# Altium PCB WOLFMAN_16ch.PcbDoc (part 1 of 2) (continued)
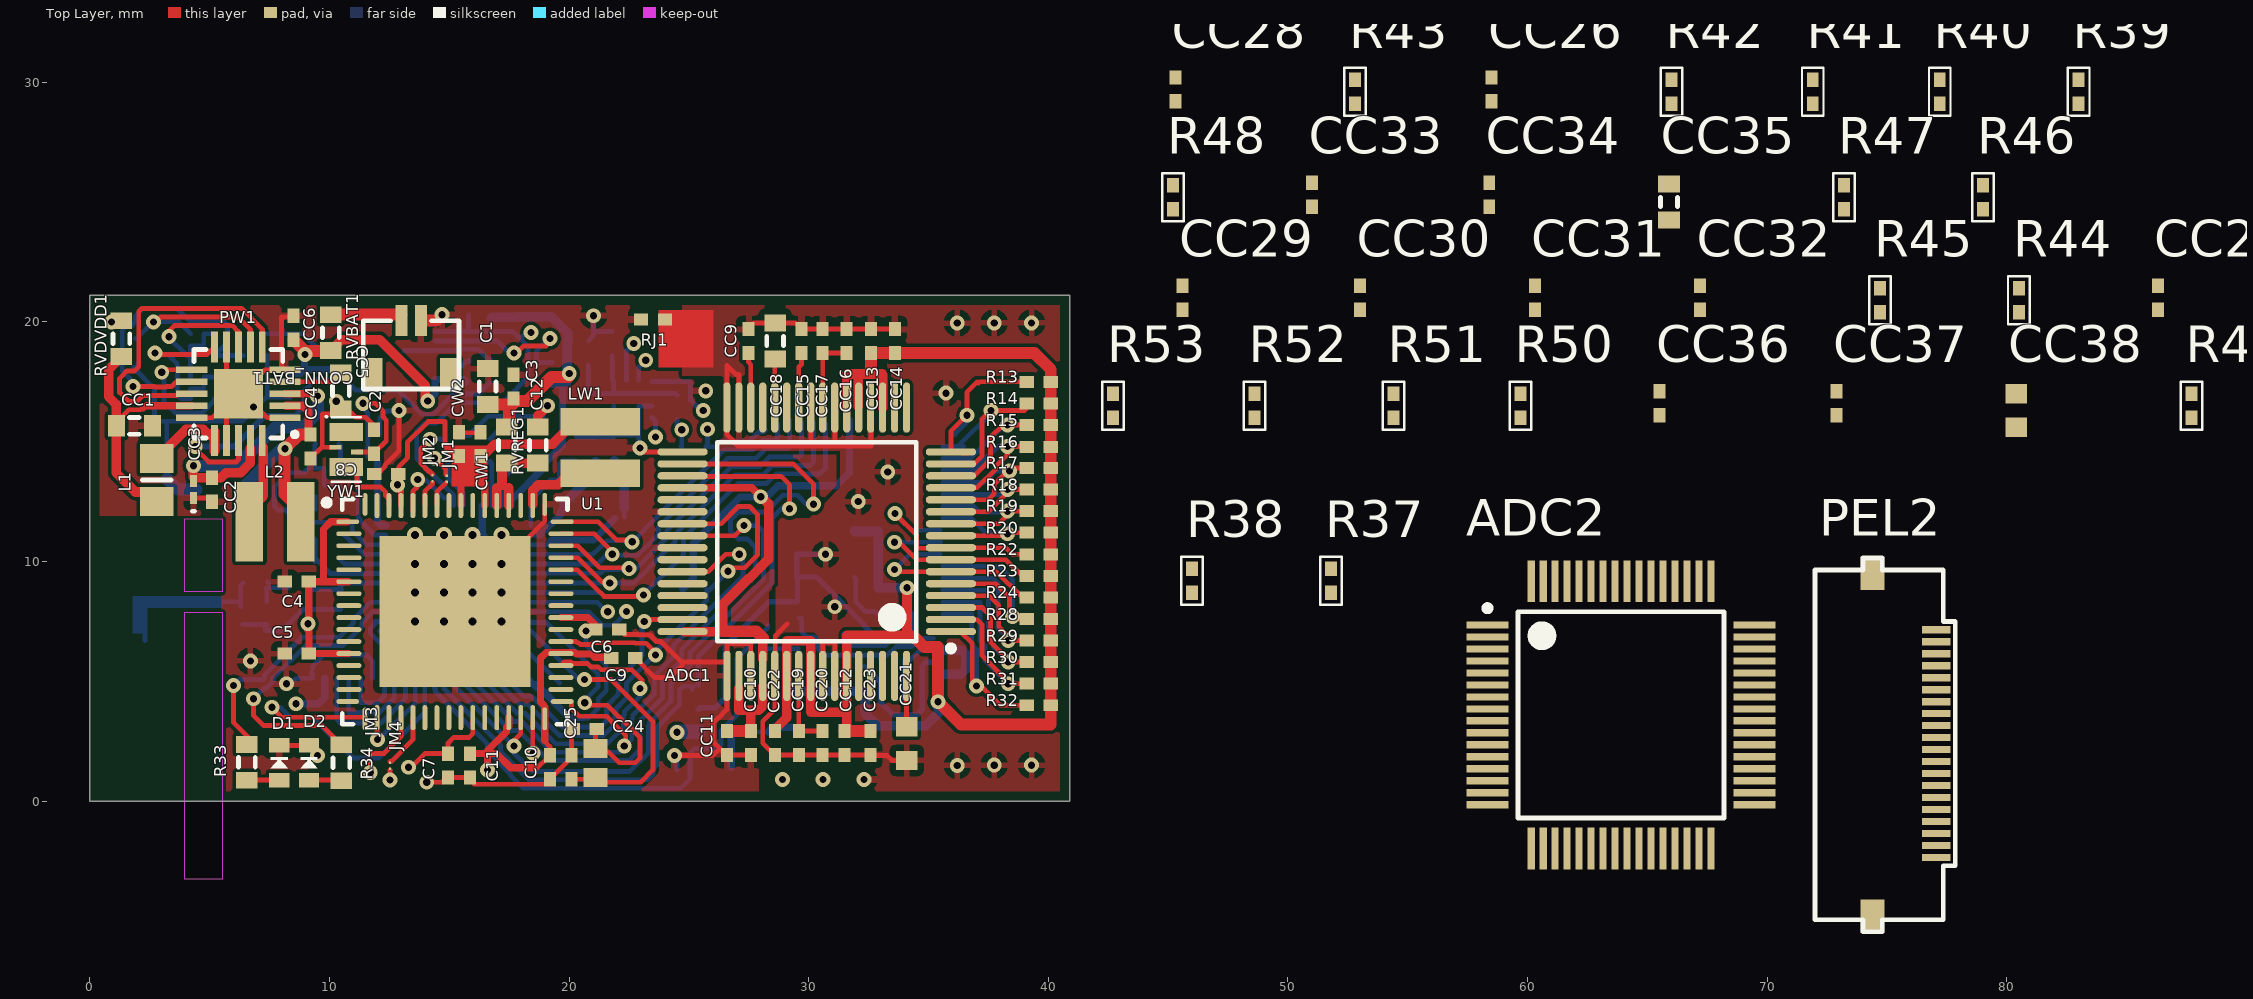
[diagram p0: Top Layer view]
## Footprints (in the part's own frame and the unit in brackets; to place one, negate y for a bottom-side part, rotate by r counter-clockwise, add the part's x,y. Pads: shape width x height; smd on the part's side, far side on the other; paste and mask are expansions set on the pad)
6-0805_N [mm] "Chip Resistor, Body 2.0x1.2mm, IPC Medium Density"
  rect 1.2x1.4 smd: 1(-0.9,0) 2(0.9,0)
  silkscreen extent 0,-0.6 0,0.6, body extent -1.07,-0.7 1.07,0.7, height 0.7
0402 [mm] "Chip Capacitor, Body 1.0x0.5mm, IPC High Density"
  rect 0.6x0.5 smd: 1(-0.5,0) 2(0.5,0)
  body extent -0.55,-0.3 0.55,0.3, height 1.3
0603 [mm] "Chip Inductor, Body 0.6x0.3mm, IPC High Density"
  rect 0.5x0.3 smd: 1(-0.35,0) 2(0.35,0)
  silkscreen extent -0.9,-0.05 -0.9,0.05, body extent -0.33,-0.18 0.33,0.18, height 0.55
1212_PCK [mm]
  rect 1.15x3.3 smd: 1(-0.55,8.6) 2(1.6,8.6)
1608[0603] [mm] "Chip Capacitor, Body 1.6x0.8mm, IPC High Density"
  rect 0.8x0.9 smd: 1(-0.7,0) 2(0.7,0)
  body extent -0.87,-0.48 0.87,0.48, height 1.3
*LGA12R50P4X4_200X200X86 [mm]
  rect 0.35x0.3 smd: 1(-0.8,0.75) 2(-0.8,0.25) 3(-0.8,-0.25) 4(-0.8,-0.75) 7(0.8,-0.75) 8(0.8,-0.25) 9(0.8,0.25) 10(0.8,0.75)
  rect 0.3x0.35 smd: 5(-0.25,-0.8) 6(0.25,-0.8) 11(0.25,0.8) 12(-0.25,0.8)
  silkscreen extent -1.25,-1.15 1.15,1.25
BT-XTAL_2016 [mm]
  rect 0.95x0.85 smd: 1(-0.725,-0.575) 2(0.725,-0.575) 3(0.725,0.575) 4(-0.725,0.575)
  silkscreen extent -1.08,-0.88 1.08,0.88, body extent -1.05,-0.85 1.05,0.85, height 0.56
CAPC1005X04L [mm]
  rect 0.6x0.5 smd: 1(-0.5,0) 2(0.5,0)
  silkscreen extent -0.9,-0.35 0.9,0.35, body extent -0.51,-0.25 0.51,0.25, height 0.5
CAPC1608X06L [mm]
  rect 0.75x0.8 smd: 1(-0.675,0) 2(0.675,0)
  silkscreen extent -1.17,-0.5 1.17,0.5, body extent -0.8,-0.43 0.8,0.43, height 0.8
DF52-2S-0.8H(21) [mm]
  rect 0.8x1.4 smd: 0(-1.6,-0.5) 0(1.6,-0.5)
  rect 0.5x1.3 smd: 1(-0.4,1.75) 2(0.4,1.75)
  silkscreen extent -2,-1.1 2,1.75, body extent -1.9,-1.05 1.9,1.72, height 1.66
DFN510P700X220-2N [mm]
  rect 1.5x2.6 smd: 1(2.575,0) 2(-2.525,0)
  Top Layer region: 4.327,3.5 4.827,3.5 4.827,-0.225 4.327,-0.225
  Top Layer region: 3.277,0.25 4.827,0.25 4.827,-0.25 3.277,-0.25
  Keep-Out Layer region: 5.027,3.5 8.027,3.5 8.027,1.9 5.027,1.9
  Keep-Out Layer region: -6.973,3.5 4.127,3.5 4.127,1.9 -6.973,1.9
  silkscreen extent -3.57,-1.6 3.62,2.1, body extent -3.58,-1.6 3.62,1.6, height 2.2
DIOC1608X08L [mm] "Chip Diode, 2-Leads, Body 1.60x0.80mm, IPC High Density"
  rect 0.6x0.85 smd: 1(-0.725,0) 2(0.725,0)
  silkscreen extent -0.23,-0.35 0.23,0.35, body extent -0.8,-0.4 0.81,0.4, height 0.72
DRZ12_SMALL [mm]
  rect 2.3x2.3 smd: 0(2.6,-1)
  rect 1.1x0.2 smd: 1(0.5,0)
  oval 1.1x0.2 smd: 2(0.5,-0.4) 3(0.5,-0.8) 4(0.5,-1.2) 5(0.5,-1.6) 6(0.5,-2) 7(4.75,-2) 8(4.75,-1.6) 9(4.75,-1.2) 10(4.75,-0.8) 11(4.75,-0.4) 12(4.75,0)
INDC1005X04L [mm]
  rect 0.65x0.5 smd: 1(-0.475,0) 2(0.475,0)
  silkscreen extent -0.9,-0.35 0.9,0.35, body extent -0.5,-0.3 0.5,0.3, height 0.5
J1-0603 [mm] "Chip Resistor, Body 1.6x0.8mm, IPC High Density"
  rect 0.7x0.9 smd: 1(-0.75,0) 2(0.75,0)
  silkscreen extent -0.2,-0.35 0.2,0.35, body extent -0.85,-0.48 0.85,0.48, height 0.9
LQFP64_M [mm] "Thin QFP, 64-Leads, Body 10x10mm, Pitch 0.5mm, IPC Low Density"
  oval 2.1x0.3 smd: 1(-5.6,3.75) 2(-5.6,3.25) 3(-5.6,2.75) 4(-5.6,2.25) 5(-5.6,1.75) 6(-5.6,1.25) 7(-5.6,0.75) 8(-5.6,0.25) 9(-5.6,-0.25) 10(-5.6,-0.75) 11(-5.6,-1.25) 12(-5.6,-1.75) 13(-5.6,-2.25) 14(-5.6,-2.75) 15(-5.6,-3.25) 16(-5.6,-3.75) 33(5.6,-3.75) 34(5.6,-3.25) 35(5.6,-2.75) 36(5.6,-2.25) 37(5.6,-1.75) 38(5.6,-1.25) 39(5.6,-0.75) 40(5.6,-0.25) 41(5.6,0.25) 42(5.6,0.75) 43(5.6,1.25) 44(5.6,1.75) 45(5.6,2.25) 46(5.6,2.75) 47(5.6,3.25) 48(5.6,3.75)
  oval 0.3x2.1 smd: 17(-3.75,-5.6) 18(-3.25,-5.6) 19(-2.75,-5.6) 20(-2.25,-5.6) 21(-1.75,-5.6) 22(-1.25,-5.6) 23(-0.75,-5.6) 24(-0.25,-5.6) 25(0.25,-5.6) 26(0.75,-5.6) 27(1.25,-5.6) 28(1.75,-5.6) 29(2.25,-5.6) 30(2.75,-5.6) 31(3.25,-5.6) 32(3.75,-5.6) 49(3.75,5.6) 50(3.25,5.6) 51(2.75,5.6) 52(2.25,5.6) 53(1.75,5.6) 54(1.25,5.6) 55(0.75,5.6) 56(0.25,5.6) 57(-0.25,5.6) 58(-0.75,5.6) 59(-1.25,5.6) 60(-1.75,5.6) 61(-2.25,5.6) 62(-2.75,5.6) 63(-3.25,5.6) 64(-3.75,5.6)
  silkscreen extent -5.72,-4.15 4.15,4.57, body extent -5,-5 5,5, height 1.6
MOLEX_5051100692 [mm] "FFC & FPC Connectors 0.5 FPC ZIF BTM CONT EMBT PKG 6Ckt"
  rect 1.4x1 smd: 0(-5.65,-0.05) 0(1.7,-0.1)
  rect 0.3x1 smd: 1(-3.25,-2.8) 2(-2.75,-2.8) 3(-2.25,-2.8) 4(-1.75,-2.8) 5(-1.25,-2.8) 6(-0.75,-2.8)
  silkscreen extent -6.6,-3.5 2.65,1.7, body extent -6.25,-3 2.25,2.3, height 1.88
MOLEX_5051100892 [mm] "CONN FCC 8 poles, 0.5mm"
  rect 1.4x1 smd: 0(-4.2,1.2) 0(4.15,1.2)
  rect 0.3x1.2 smd: 1(-1.75,-1.45) 2(-1.25,-1.45) 3(-0.75,-1.45) 4(-0.25,-1.45) 5(0.25,-1.45) 6(0.75,-1.45) 7(1.25,-1.45) 8(1.75,-1.45)
  silkscreen extent -4.85,-2.25 4.75,3.6, body extent -4.75,-1.65 4.75,3.65, height 1.88
MOLEX_5051102091 [mm] "CONN FCC 20 poles, 0.5mm"
  rect 1.4x1 smd: 0(-7.2,2.6) 0(7.1,2.6)
  rect 0.3x1.2 smd: 1(-4.75,-0.05) 2(-4.25,-0.05) 3(-3.75,-0.05) 4(-3.25,-0.05) 5(-2.75,-0.05) 6(-2.25,-0.05) 7(-1.75,-0.05) 8(-1.25,-0.05) 9(-0.75,-0.05) 10(-0.25,-0.05) 11(0.25,-0.05) 12(0.75,-0.05) 13(1.25,-0.05) 14(1.75,-0.05) 15(2.25,-0.05) 16(2.75,-0.05) 17(3.25,-0.05) 18(3.75,-0.05) 19(4.25,-0.05) 20(4.75,-0.05)
  silkscreen extent -7.85,-0.85 7.75,5, body extent -7.75,-0.3 7.75,5, height 1.88
QFN40P600X600X90-48N [mm]
  oval 0.65x0.2 smd: 1(-3.025,2.2) 2(-3.025,1.8) 3(-3.025,1.4) 4(-3.025,1) 5(-3.025,0.6) 6(-3.025,0.2) 7(-3.025,-0.2) 8(-3.025,-0.6) 9(-3.025,-1) 10(-3.025,-1.4) 11(-3.025,-1.8) 12(-3.025,-2.2) 25(3.025,-2.2) 26(3.025,-1.8) 27(3.025,-1.4) 28(3.025,-1) 29(3.025,-0.6) 30(3.025,-0.2) 31(3.025,0.2) 32(3.025,0.6) 33(3.025,1) 34(3.025,1.4) 35(3.025,1.8) 36(3.025,2.2)
  oval 0.2x0.65 smd: 13(-2.2,-3.025) 14(-1.8,-3.025) 15(-1.4,-3.025) 16(-1,-3.025) 17(-0.6,-3.025) 18(-0.2,-3.025) 19(0.2,-3.025) 20(0.6,-3.025) 21(1,-3.025) 22(1.4,-3.025) 23(1.8,-3.025) 24(2.2,-3.025) 37(2.2,3.025) 38(1.8,3.025) 39(1.4,3.025) 40(1,3.025) 41(0.6,3.025) 42(0.2,3.025) 43(-0.2,3.025) 44(-0.6,3.025) 45(-1,3.025) 46(-1.4,3.025) 47(-1.8,3.025) 48(-2.2,3.025)
  rect 4.7x4.7 smd: 49(0,0)
  silkscreen extent -4.03,-3 3,3, body extent -3.02,-3.02 3.02,3.02, height 0.86
QFN50P900X900X100_HS_NOVIAS_65M [mm] "QFN, 64-Leads, Body 9.00x9.00mm, Pitch 0.50mm, Thermal Pad 6.30x6.30mm, IPC Low Density"
  oval 0.95x0.2 smd: 1(-4.475,3.75) 16(-4.475,-3.75) 33(4.475,-3.75) 48(4.475,3.75)
  oval 1.05x0.2 smd: 2(-4.425,3.25) 3(-4.425,2.75) 4(-4.425,2.25) 5(-4.425,1.75) 6(-4.425,1.25) 7(-4.425,0.75) 8(-4.425,0.25) 9(-4.425,-0.25) 10(-4.425,-0.75) 11(-4.425,-1.25) 12(-4.425,-1.75) 13(-4.425,-2.25) 14(-4.425,-2.75) 15(-4.425,-3.25) 34(4.425,-3.25) 35(4.425,-2.75) 36(4.425,-2.25) 37(4.425,-1.75) 38(4.425,-1.25) 39(4.425,-0.75) 40(4.425,-0.25) 41(4.425,0.25) 42(4.425,0.75) 43(4.425,1.25) 44(4.425,1.75) 45(4.425,2.25) 46(4.425,2.75) 47(4.425,3.25)
  oval 0.2x0.95 smd: 17(-3.75,-4.475) 32(3.75,-4.475) 49(3.75,4.475) 64(-3.75,4.475)
  oval 0.2x1.05 smd: 18(-3.25,-4.425) 19(-2.75,-4.425) 20(-2.25,-4.425) 21(-1.75,-4.425) 22(-1.25,-4.425) 23(-0.75,-4.425) 24(-0.25,-4.425) 25(0.25,-4.425) 26(0.75,-4.425) 27(1.25,-4.425) 28(1.75,-4.425) 29(2.25,-4.425) 30(2.75,-4.425) 31(3.25,-4.425) 50(3.25,4.425) 51(2.75,4.425) 52(2.25,4.425) 53(1.75,4.425) 54(1.25,4.425) 55(0.75,4.425) 56(0.25,4.425) 57(-0.25,4.425) 58(-0.75,4.425) 59(-1.25,4.425) 60(-1.75,4.425) 61(-2.25,4.425) 62(-2.75,4.425) 63(-3.25,4.425)
  rect 6.3x6.3 smd: 65(0,0)
  silkscreen extent -5.47,-4.7 4.7,4.7, body extent -4.6,-4.6 4.6,4.6, height 1
"S-PQFP - G64 - ADS1298" [mm] "TSQFP, 64-Leads, Body 10,00x10,00mm, Pitch 0,50mm, IPC Medium Density"
  rect 1.75x0.3 smd: 1(-5.575,3.75) 2(-5.575,3.25) 3(-5.575,2.75) 4(-5.575,2.25) 5(-5.575,1.75) 6(-5.575,1.25) 7(-5.575,0.75) 8(-5.575,0.25) 9(-5.575,-0.25) 10(-5.575,-0.75) 11(-5.575,-1.25) 12(-5.575,-1.75) 13(-5.575,-2.25) 14(-5.575,-2.75) 15(-5.575,-3.25) 16(-5.575,-3.75) 33(5.575,-3.75) 34(5.575,-3.25) 35(5.575,-2.75) 36(5.575,-2.25) 37(5.575,-1.75) 38(5.575,-1.25) 39(5.575,-0.75) 40(5.575,-0.25) 41(5.575,0.25) 42(5.575,0.75) 43(5.575,1.25) 44(5.575,1.75) 45(5.575,2.25) 46(5.575,2.75) 47(5.575,3.25) 48(5.575,3.75)
  rect 0.3x1.75 smd: 17(-3.75,-5.575) 18(-3.25,-5.575) 19(-2.75,-5.575) 20(-2.25,-5.575) 21(-1.75,-5.575) 22(-1.25,-5.575) 23(-0.75,-5.575) 24(-0.25,-5.575) 25(0.25,-5.575) 26(0.75,-5.575) 27(1.25,-5.575) 28(1.75,-5.575) 29(2.25,-5.575) 30(2.75,-5.575) 31(3.25,-5.575) 32(3.75,-5.575) 49(3.75,5.575) 50(3.25,5.575) 51(2.75,5.575) 52(2.25,5.575) 53(1.75,5.575) 54(1.25,5.575) 55(0.75,5.575) 56(0.25,5.575) 57(-0.25,5.575) 58(-0.75,5.575) 59(-1.25,5.575) 60(-1.75,5.575) 61(-2.25,5.575) 62(-2.75,5.575) 63(-3.25,5.575) 64(-3.75,5.575)
  silkscreen extent -5.7,-4.3 4.3,4.57, body extent -5,-5 5,5, height 1.2
SiT1533-C [mm] "Ultra-Low Power Quartz XTAL Replacement - XTAL Compatible Footprint"
  rect 0.75x1.4 smd: 1(-0.725,0) 3(0.725,0)
  rect 0.2x0.5 smd: 2(-0.1,-0.45) 4(0.1,0.45)
  silkscreen extent -1.4,-0.85 1.35,0.6, body extent -1,-0.6 1,0.6, height 0.55
SOT323_N [mm] "SOT323, 3-Leads, Body 2.0x1.3mm, Pitch 0.65mm, Lead Span 2.1mm, IPC Medium Density"
  rect 1.2x0.5 smd: 1(-0.95,0.65) 2(-0.95,-0.65) 3(0.95,0)
  silkscreen extent -1.07,-1.1 0.7,1.57, body extent -0.7,-1.1 0.7,1.1, height 1.1
SOT-23_A_N [mm] "SOT23, 6-Leads, Body 2.9x1.7mm, Pitch 0.95mm, Lead Span 2.8mm, IPC Medium Density"
  rect 1.1x0.65 smd: 1(-1.2,0.95) 2(-1.2,0) 3(-1.2,-0.95) 4(1.2,-0.95) 5(1.2,0) 6(1.2,0.95)
  silkscreen extent -1.32,-1.55 0.25,1.95, body extent -0.9,-1.55 0.9,1.55, height 1.45
UJ-5_N [mm] "SOT23, 5-Leads, Body 2.9x1.7mm, Pitch 0.95mm, Lead Span 2.8mm, IPC Medium Density"
  rect 1.1x0.65 smd: 1(-1.2,0.95) 2(-1.2,0) 3(-1.2,-0.95) 4(1.2,-0.95) 5(1.2,0.95)
  silkscreen extent -1.32,-1.55 0.25,1.95, body extent -0.9,-1.55 0.9,1.55, height 1
UJMPR [mm] "Micro Jumper"
  rect 0.1x0.1 smd: 1(-31.3,19.55) 2(-31.3,19.3)
VQFN20 [mm]
  rect 0.28x1.3 smd: 1(-1,-1.95) 2(-0.5,-1.95) 3(0,-1.95) 4(0.5,-1.95) 5(1,-1.95) 11(1,1.95) 12(0.5,1.95) 13(0,1.95) 14(-0.5,1.95) 15(-1,1.95)
  rect 1.3x0.28 smd: 6(1.95,-1) 7(1.95,-0.5) 8(1.95,0) 9(1.95,0.5) 10(1.95,1) 16(-1.95,1) 17(-1.95,0.5) 18(-1.95,0) 19(-1.95,-0.5) 20(-1.95,-1)
  rect 2.05x2.05 smd: 21(0,0)
  silkscreen extent -1.85,-2.42 1.85,1.85, body extent -1.75,-1.75 1.75,1.75, height 1
XTAL_3215 [mm]
  rect 1x1.8 smd: 1(-1.25,0) 2(1.25,0)
  silkscreen extent -0.6,-0.75 0.6,0.75, body extent -1.6,-0.75 1.6,0.75, height 0.81

## Part data
A1: "Bluetooth antenna"
ADC1: library part ADS1298
C1 C2 C3 C4 C5 C6 C7 C8 C9 C10 C11 C12 CA1 CA2 CA3 CC1 CC2 CC3 CC4 CC5 CC6 CC7 CC8 CC10 CC11 CC22 CC23 CC24 CC25 CC27 CC28 CP1 CW1 CW2: library part "Cap Semi", "Capacitor (Semiconductor SIM Model)"
C13: library part C0603-1µ0, "Capacitor, X7R, ±10%"
C14 C20 C26: library part C0402-100n, "Capacitor, X7R, ±10%"
C15 C16 C18 C19 C24 C25: library part C0402-12p, "Capacitor, NP0, ±2%"
C17: library part C0603-4µ7, "Capacitor, X5R, ±10%"
C21: library part C0402-100p, "Capacitor, NP0, ±5%"
C22: library part C0402-N.C., "Not mounted"
C23: library part C0402-0.8p, "Capacitor, NP0, ±5%"
CC9 CC12 CC13 CC14 CC15 CC16 CC17 CC18 CC19 CC20 CC21 CC26 CC29 CC30 CC31 CC32 CC33 CC34 CC35 CC36 CC37 CC38: "Capacitor (Semiconductor SIM Model)"
D1: library part KING-LED-RED-APT1608LSECK/J3-PRV, "1.6X0.8mm SMD CHIP LED LAMP, Hyper Red"
D2: library part KING-LED-ORANGE-APT1608LSECK/J4-PRV, "1.6X0.8mm SMD CHIP LED LAMP, Super Bright Orange"
L1 L2: library part Inductor, "Inductor"
L3: library part L0402-15n, "High frequency chip inductor ±10%"
L4: library part L0603-10µ, "Chip inductor, IDC,min = 50 mA, ±20%"
L5: library part L0402-3n9, "High frequency chip inductor ±5%"
LW1: library part BOUR-IND-SRN4026-220M, "Semi-shielded Power Inductor, 22uH, 3A"
P1: library part ADP122, "Regulator"
PW1: "IC ENERGY HARV CTRLR BATT 20VQFN"
Q1: "PNP Switching Transistor"
R1 R2 R3 R4 R5 R6 R7 R8 R9 R10 R11 R12 R13 R14 R15 R16 R17 R18 R19 R20 R21 R22 R23 R24 R25 R26 R27 R28 R29 R30 R31 R32 R33 R34 R35 R37 R38 R39 R40 R41 R42 R43 R44 R45 R46 R47 R48 R49 R50 R51 R52 R53 RJ1 RVAVDD1 RVBAT1 RVDVDD1 RVREG1 RVSP1 Value1 XX1: library part Res3, "Resistor"
R36: "Resistor"
U1: library part PULP_MR_WOLF, "Mr. Wolf PULP Heterogeneous Multi-Core System-On-Chip"
U2: library part LT1790
U3: library part nRF52832-QFAB, "Multi-protocol Bluetooth Low Energy, ANT and 2.4GHz proprietary system-on-chip"
X1: library part XTAL_SMD2016_32MHz_8pF_General, "XTAL SMD 2016, 32MHz, Cl=8pF, Total Tol: ±40ppm"
X2: library part XTAL_SMD3215_32.768kHz_9pF_General, "XTAL SMD 3215, 32.768kHz, Cl=9pF, Total Tol: ±50ppm"
XX2 XX3: library part L0402-N.C., "Not mounted"
YW1: library part SIT-OSC32KHZ-SIT1533AC-H5-DCC-32.768, "20 ppm, Ultra-Low Power 32.768 kHz Quartz XTAL Replacement"

## Free pads (board coordinates)
  rect 1x0.8 smd: 2(21.1,2.189) 3(21.1,0.98)

## Via types
v1: diameter 0.62, hole 0.3, Top Layer to Bottom Layer, 75 vias
v2: diameter 0.62, hole 0.3, Top Layer to Bottom Layer, tented both sides, 29 vias
v3: diameter 0.66, hole 0.33, Top Layer to Bottom Layer, 16 vias
v4: diameter 0.62, hole 0.3, Top Layer to Bottom Layer, tented bottom, 1 vias

## Nets (pads, with @x,y where several pads share a name; then routed paths per layer and width w, separated by ;. In a path a pad name is that pad's centre, name@x,y a point inside that pad or via, vN(x,y) a via of type N, cw(c..) or ccw(c..) an arc to the next point about the centre after c; other vN are vias at no path point)
8_16_CS#: ADC2.39 R37.1
8_16_EL1: ADC2.16 PEL2.20 R38.2
8_16_EL2: ADC2.14 PEL2.18 R40.2
8_16_EL3: ADC2.12 PEL2.16 R42.2
8_16_EL4: ADC2.10 PEL2.14 R44.2
8_16_EL5: ADC2.8 PEL2.12 R46.2
8_16_EL6: ADC2.6 PEL2.10 R48.2
8_16_EL7: ADC2.4 PEL2.8 R50.2
8_16_EL8: ADC2.2 PEL2.6 R52.2
8_16_ELM1: ADC2.15 PEL2.19 R39.2
8_16_ELM2: ADC2.13 PEL2.17 R41.2
8_16_ELM3: ADC2.11 PEL2.15 R43.2
8_16_ELM4: ADC2.9 PEL2.13 R45.2
8_16_ELM5: ADC2.7 PEL2.11 R47.2
8_16_ELM6: ADC2.5 PEL2.9 R49.2
8_16_ELM7: ADC2.3 PEL2.7 R51.2
8_16_ELM8: ADC2.1 PEL2.5 R53.2
8_16_VCAP1: ADC2.28 CC35.2
8_16_VCAP2: ADC2.30 CC26.2
8_16_VCAP3: ADC2.55 CC36.2 CC37.2
8_16_VCAP4: ADC2.26
8_16_VREFP: ADC2.24 CC33.2 CC34.2
8_16_WCT: ADC2.64 CC38.2
A_DVDD: A2.2 A2.9 A2.10 CA1.2 CA2.2 CA3.2 R36.2 | length 6.5
  Bottom Layer w0.2: CA2.2@20.8,17.071 CA1.2@20.8,18.2 ; CA2.2@20.818,17.045 20.856,17.007 A2.9@21.86,17.007 ; CA3.2@21.8,18.6 21.8,17.582 A2.10@21.88,17.502 ; A2.10@21.832,17.507 21.86,17.479 A2.9@21.86,17.007 ; A2.2@23.46,17 23.453,17.007 A2.9@21.86,17.007 ; A2.2@23.46,17.007 24.445,17.007 R36.2@24.509,16.944
AGND: ADC1.20 ADC1.23 ADC1.25 ADC1.31 ADC1.32 ADC1.53 ADC1.57 ADC1.58 ADC2.20 ADC2.23 ADC2.25 ADC2.31 ADC2.32 ADC2.53 ADC2.57 ADC2.58 CC9.1 CC12.1 CC13.1 CC14.1 CC15.1 CC16.1 CC17.1 CC18.1 CC19.1 CC20.1 CC21.1 CC22.1 CC23.1 CC24.1 CC25.1 CC26.1 CC29.1 CC30.1 CC31.1 CC32.1 CC33.1 CC34.1 CC35.1 CC36.1 CC37.1 CC38.1 CP1.1 P1.2 PEL1.1 PEL2.1 R27.1 RJ1.2 U2.1 U2.2 | length 58.4
  Top Layer w0.2: ADC1.32@26.584,16.1 26.584,15.3 27.068,14.816 30.084,14.816 ; ADC1.32@26.584,16.424 26.584,18.116 ; 26.589,18.177 26.966,17.8 27.084,17.8 ADC1.31@27.084,16.424 ; CC22.1@28.584,1.926 29.55,1.926 CC19.1@29.558,1.918 ; CC22.1@28.584,2 28.495,2 28.084,2.411 28.084,3.33 28.584,3.83 ADC1.53@28.584,5.224 28.6,5.24 28.6,6.9 29.1,7.4 ; ADC1.25@30.084,16.424 30.084,14.816 ; CC20.1@30.584,1.926 CC20.1@30.62,1.926 ; ADC1.57@30.584,5.224 30.584,6.627 31.084,6.627 ADC1.58@31.084,5.768 ; CC17.1@30.584,19.7 CC16.1@31.584,19.7 CC13.1@32.6,19.7 CC14.1@33.584,19.7 ; CC20.1@30.646,1.9 CC20.1@30.62,1.926 ; ADC1.58@31.033,5.224 ADC1.58@31.1,5.157 ; ADC1.23@31.084,16.15 31.084,14.816 30.084,14.816 ; 31.084,14.9 31.084,14.816 31.7,14.816 ; 31.671,14.787 31.7,14.816 ; CC23.1@32.5,1.9 33.276,1.9 33.476,1.7 CC21.1@34.084,1.7 ; ADC1.20@32.584,16.15 32.6,16.134 32.6,14.816 31.7,14.816 ; CC23.1@32.6,1.926 CC23.1@32.584,1.926 CC12.1@31.5,1.926 CC20.1@30.62,1.926
  Top Layer w0.22: 24.194,19.1 25.517,19.1 ; CC9.1@27.457,19.7 27.707,19.95 CC18.1@28.6,19.95 29.439,19.95 CC15.1@29.7,19.689 ; CC19.1@29.584,1.926 CC20.1@30.584,1.926 ; CC15.1@29.7,19.7 30.574,19.7 CC17.1@30.584,19.71
  Bottom Layer w0.22: 29.532,8.365 U2.1@29.532,9.348 ; v2@30.5,10.268 30.468,10.3 U2.2@29.5,10.3 U2.1@29.5,9.35 30.318,9.35 32.31,7.358 32.31,7.336 32.648,6.998 CC24.1@32.8,6.998 ; 32.336,5.615 32.44,5.51 32.44,5.507 32.947,5 CC25.1@33,5 33,4.139 R27.1@32.998,4.137 ; R27.1@33,4.118 33.51,3.608 34.528,3.608 34.742,3.822 34.742,5.655 34.887,5.8 PEL1.1@35.492,5.8
  Bottom Layer w0.23: P1.2@25.4,3.841 25.459,3.9 26.119,3.9 26.517,4.298 26.517,6.474 27.655,7.612 27.655,7.618 28.365,8.328 29.5,8.328
  other v1: 28.9,0.9 30.6,0.9 32.3,0.9 36.2,1.491 37.74,1.5 39.302,1.5 32.068,12.5 33.3,13.74 35.73,17.024
  other v2: 31.085,8.108 30.702,10.3 36.2,19.948 37.74,19.957 39.302,19.957
AVDD: ADC1.19 ADC1.21 ADC1.22 ADC1.54 ADC1.56 ADC1.59 ADC2.19 ADC2.21 ADC2.22 ADC2.54 ADC2.56 ADC2.59 CC12.2 CC13.2 CC14.2 CC22.2 CC23.2 CC29.2 CC30.2 CC31.2 PEL1.2 PEL2.2 R13.1 R14.1 R15.1 R16.1 R17.1 R18.1 R19.1 R20.1 R22.1 R23.1 R24.1 R28.1 R29.1 R30.1 R31.1 R32.1 R38.1 R39.1 R40.1 R41.1 R42.1 R43.1 R44.1 R45.1 R46.1 R47.1 R48.1 R49.1 R50.1 R51.1 R52.1 R53.1 RVAVDD1.2 U2.4 | length 72.7
  Top Layer w0.4: CC22.2@28.6,3 29.084,3.484 ADC1.54@29.084,5.224 ; ADC1.54@29.084,5.24 29.084,6.7 30.084,6.7 ADC1.56@30.084,5.224 30.084,3.7 31.584,3.7 ; ADC1.22@31.584,16.424 31.584,17.824 33.073,17.824 ; CC12.2@31.6,2.926 31.584,2.942 31.584,3.7 ; ADC1.21@32.068,16.452 32.068,17.816 ; ADC1.19@33.084,16.427 33.084,17.8 ; 34.084,6.958 34.1,6.974 v1(34.1,8.904) ; 34.4,6.908 34.387,6.921 31.584,6.921 ADC1.59@31.584,5.224 31.584,3.7
  Top Layer w0.5: CC12.2@31.5,2.926 CC12.2@31.508,2.926 ; CC12.2@31.5,2.934 CC12.2@31.508,2.926 ; CC23.2@32.584,2.942 32.568,2.926 31.6,2.926 CC12.2@31.508,2.926 ; 32.6,18.032 CC13.2@32.6,18.7 CC14.2@33.6,18.7 39.416,18.7 40.1,18.016 R13.1@40.1,17.7 ; 34.457,6.8 34.829,6.428 35.4,6.428 v1(35.4,4.149) 36.349,3.2 40.1,3.2 R32.1@40.1,4 R31.1@40.1,4.9 R30.1@40.1,5.8 R29.1@40.1,6.7 R28.1@40.1,7.6 R24.1@40.1,8.497 R23.1@40.1,9.4 R22.1@40.1,10.3 R20.1@40.1,11.2 R19.1@40.1,12.112 R18.1@40.1,13 R17.1@40.1,13.904 R16.1@40.1,14.787 R15.1@40.1,15.7 R14.1@40.1,16.6 R13.1@40.1,17.5
  Bottom Layer w0.4: RVAVDD1.2@29.3,4.583 32.286,4.583 32.353,4.516 32.35,4.513 32.35,3.662 32.864,3.148 34.884,3.148 35.4,3.664 v1@35.4,4.137 ; U2.4@31.9,11.279 31.929,11.25 32.9,11.25 32.9,8.897 v1@34.1,8.897 ; v1(35.4,4.149) 35.4,5.1 35.6,5.3 36.345,5.3 36.55,5.505 36.55,6.15 36.4,6.3 PEL1.2@35.7,6.3
AVDD_OUT: CP1.2 P1.5 RVAVDD1.1 | length 4
  Bottom Layer w0.2: P1.5@27.6,2.905 27.614,2.891 P1.5@27.8,2.891 P1.5@28.308,2.891
  Bottom Layer w0.3: CP1.2@26.77,1.41 26.769,2.796 26.873,2.9 P1.5@27.54,2.9 ; P1.5@28.308,2.891 28.5,3.083 RVAVDD1.1@29.3,3.083
CAM.DATA0: U1.19
CAM.DATA1: JM3.2 U1.20 | length 2.4
  Top Layer w0.2: 11.7,1.968 11.7,1.983 12.277,1.983 12.311,2.017 12.983,2.689 U1.20@12.983,3.476
CAM.DATA2: JM4.2 U1.21 | length 2.3
  Top Layer w0.2: 12.527,1.65 12.572,1.65 13.483,2.561 U1.21@13.483,3.482 U1.21@13.483,3.5
CAM.DATA3: U1.22
CAM.DATA4: U1.23
CAM.DATA5: U1.24
CAM.DATA6: U1.25
CAM.DATA7: U1.27
CAM.HSYNC: U1.18 U3.23 | length 5.3
  Top Layer w0.2: U1.18@11.983,3.383 11.983,2.592 v1(12,2.575)
  Bottom Layer w0.2: v1@12,2.489 v1(12,2.575) 12.065,2.575 13.575,4.085 U3.23@13.575,6.275 U3.23@13.575,6.312
CAM.PCLK: U1.17 U3.22 | length 14.7
  Top Layer w0.2: v1(7.6,3.917) 8.017,3.5 11.465,3.5 U1.17@11.483,3.482
  Bottom Layer w0.2: v1(7.6,3.917) 7.951,3.917 8.368,3.5 9.28,3.5 10.979,1.8 12.064,1.8 12.2,1.936 12.203,1.936 13.975,3.708 U3.22@13.975,6.275
CAM.VSYNC: U1.28
CS#: ADC1.39 R12.1 U1.38 U3.15 | length 26.9
  Top Layer w0.2: U1.38@19.658,6.657 20.291,6.657 20.342,6.606 20.402,6.606 20.468,6.54 20.932,6.54 20.998,6.606 22.744,6.606 22.76,6.59 23.21,6.59 23.6,6.2 v1(23.6,6.1) ; ADC1.39@24.734,11.574 26.348,11.574 27.068,12.294 27.532,12.294 27.86,11.966 27.86,10.268 ; v1(26.634,9.591) 26.783,9.74 27.332,9.74 27.66,10.068 27.66,10.078 27.85,10.268
  Bottom Layer w0.2: U3.15@16.775,6.275 16.775,5.219 17.972,4.022 18.305,4.022 19.587,2.74 21.445,2.74 21.914,3.209 21.914,3.716 21.96,3.762 21.96,3.865 22.4,4.305 22.4,4.468 22.4,4.932 23.668,6.2 23.668,6.312 25.74,8.384 R12.1@25.74,8.85 ; R12.1@25.8,8.8 25.843,8.8 v1(26.634,9.591)
CS_NRF#: U1.36 U3.16 | length 14.6
  Top Layer w0.2: U1.36@19.658,5.657 19.807,5.806 20.07,5.806 20.137,5.74 20.768,5.74 20.908,5.6 21.214,5.6 21.335,5.479 22.621,5.479 23.041,5.059 v1@23.041,4.657 ; v1@22.9,4.76 v1(22.96,4.7)
  Bottom Layer w0.2: U3.16@16.375,6.275 16.375,5.124 17.827,3.672 18.16,3.672 19.442,2.39 21.59,2.39 22.264,3.064 22.264,3.571 22.31,3.617 22.31,3.72 22.8,4.21 22.807,4.21 22.998,4.401 v1@22.998,4.662
DEC1: C14.1 U3.1 | length 4
  Bottom Layer w0.2: U3.1@18.4,11.5 18.4,12.566 19.241,13.407 19.6,13.407 19.6,14.075 19.725,14.2 C14.1@20.3,14.2
DEC2: C22.2 U3.32 | length 2
  Bottom Layer w0.2: C22.2@10.427,10.096 10.623,9.9 U3.32@12.35,9.9
DEC3: C21.1 U3.33 | length 2.1
  Bottom Layer w0.2: C21.1@10.589,11.1 10.642,11.1 11.442,10.3 U3.33@12.35,10.3
DEC4: C13.2 L3.1 U3.46 | length 3
  Bottom Layer w0.2: C13.2@15.7,13.975 15.864,14.139 L3.1@16.705,14.139 ; L3.1@16.7,14.175 16.775,14.1 U3.46@16.775,12.325
DGND: A2.3 A2.5 A2.6 A2.7 A2.8 ADC1.33 ADC1.38 ADC1.41 ADC1.49 ADC1.51 ADC2.33 ADC2.38 ADC2.41 ADC2.49 ADC2.51 C1.1 C2.1 C3.1 C4.1 C5.1 C6.1 C7.1 C8.1 C9.1 C10.1 C11.1 C12.1 C13.1 C14.2 C15.2 C16.2 C17.2 C18.2 C19.2 C20.2 C21.2 C22.1 C23.1 C24.1 C25.1 C26.2 CA1.1 CA2.1 CA3.1 CC1.1 CC2.1 CC3.1 CC4.1 CC5.1 CC6.1 CC7.1 CC8.1 CC10.1 CC11.1 CC27.1 CC28.1 CONN_BAT1.2 CONN_P_S1.2 CW1.1 CW2.1 D1.2 D2.2 PJ1.2 PW1.1 PW1.5 PW1.9 PW1.15 PW1.17 PW1.21 PW2.0 PW2.3 R5.2 R6.2 R7.2 R10.2 R35.2 RJ1.1 SW1.1 SW1.6 U1.49 U1.65 U3.31 U3.45 U3.49 X1.2 X1.4 XX2.2 XX3.2 YW1.2 | length 130.8
  Top Layer w0.2: PW1.15@4.25,16 5.1,16 PW1.21@5.4,16.3 ; CC3.1@4.32,12.65 4.993,12.65 CC2.1@5.1,12.543 ; PW1.17@5.7,15.05 PW1.21@5.7,16.2 ; PW1.9@5.7,18.95 5.7,17.6 PW1.21@5.8,17.5 ; PW1.21@7.1,16.3 7.4,16 PW1.1@8.15,16 ; PW1.21@7.1,17.8 7.3,18 PW1.5@8.15,18 8,18.15 8,20.2 8.38,20.2 CC6.1@8.4,20.22 ; D1.2@7.9,2.325 9.109,2.325 D2.2@9.152,2.368 ; C4.1@8.132,9.157 C4.1@8.132,9.297 ; D2.2@9.146,2.3 9.5,1.946 v1(9.5,1.897) ; CC4.1@9.2,14.3 9.67,14.77 ; YW1.2@10.25,14.77 9.67,14.77 ; CC5.1@10.4,16.15 9.7,16.15 9.7,14.8 9.67,14.77 ; CC5.1@10.7,16.265 10.843,16.265 11.088,16.02 11.504,16.02 11.885,15.638 C2.1@11.885,15.4 ; C8.1@11.865,13.65 12.011,13.65 12.315,13.954 12.315,14.015 12.9,14.6 v2(12.9,16.3) ; v1(14.06,0.79) 14.69,0.79 C7.1@14.9,1 ; C7.1@14.95,0.983 15.817,0.983 C11.1@15.9,0.9 ; CW2.1@15.4,15.376 16.285,15.376 CW1.1@16.303,15.393 ; C11.1@15.867,0.868 16.035,0.7 C10.1@19.315,0.7 ; U1.65@17.3,10 18.983,11.683 U1.49@18.983,12.382 ; C10.1@19.2,0.91 19.2,0.919 C25.1@20.081,1.8 ; C25.1@20.094,1.91 20.094,2.94 C24.1@20.154,3 ; C6.1@22.1,7.157 22.301,6.956 22.889,6.956 22.905,6.94 23.355,6.94 23.635,6.66 23.832,6.66 24.692,5.8 24.734,5.8 ; C9.1@22.761,5.979 23.583,5.157 24.194,5.157 24.734,5.697 24.734,5.8 ; v2@22.957,14.755 23.139,14.574 ADC1.33@24.734,14.574 ; ADC1.38@24.194,12.084 ADC1.38@24.2,12.078 ; v2(24.4,1.903) 25.969,1.903 25.978,1.895 26.278,2.194 CC11.1@26.569,1.903 ; 24.734,5.806 24.734,5.8 ; ADC1.49@26.54,5.8 24.734,5.8 ; CC11.1@26.584,1.926 CC10.1@27.56,1.926 ; ADC1.49@26.584,5.224 26.584,3.825 ; 26.589,3.83 26.584,3.825 ; CC11.1@26.6,1.9 26,2.5 26,3.246 26.23,3.476 26.235,3.476 26.584,3.825 ; ADC1.49@26.6,5.657 26.6,6.576 27.584,6.576 ADC1.51@27.584,5.224
  Top Layer w0.4: v1@14.632,20.332 v1@14.7,20.4 ; C12.1@18.7,15.607 18.7,16.087 v1@19.025,16.412
  Top Layer w0.5: CONN_BAT1.2@13.81,20.05 14.45,20.05 v1(14.7,20.3)
  Signal Layer 1 w0.2: v3(13.575,7.5) v3@13.575,8.629 ; v3(13.575,8.7) 14.697,8.7 v3@14.76,8.636 ; v3(13.575,9.9) v3(13.575,11.1) ; v3@13.581,9.9 v3(14.775,9.9) ; v3@14.775,9.921 v3@14.775,11.085 ; v3@14.823,7.5 14.775,7.548 v3(14.775,8.7) v3(15.975,8.7) ; v3@14.896,9.9 v3@15.963,9.9 ; v3@15.975,7.524 v3(15.975,8.7) ; v3@15.975,9.921 v3@15.975,11.088 ; v3@16.043,9.9 v3@17.173,9.9 ; v3@17.175,7.525 v3(17.175,8.7) v3(15.975,8.7) ; v3(17.175,9.9) v3(17.175,11.1)
  Bottom Layer w0.2: R5.2@1.808,18.1 R5.2@1.895,18.1 ; R5.2@2.06,18.332 2,18.272 2,17.908 2.568,17.34 2.581,17.34 2.7,17.221 2.7,15.849 ; 2.72,15.849 3.248,15.849 ; CONN_P_S1.2@3.21,14.318 3.21,15.811 3.248,15.849 ; 3.25,15.851 3.248,15.849 ; 3.554,15.849 3.248,15.849 ; 3.555,15.85 6.354,15.85 7.381,16.876 ; XX3.2@6.366,7.366 7.385,7.366 XX2.2@7.4,7.351 ; XX2.2@7.325,7.125 7.325,7.251 XX2.2@7.374,7.3 ; XX2.2@7.385,7.125 8.025,7.125 8.9,8 9.5,8 C23.1@10.457,8 ; R7.2@7.4,18.6 R6.2@7.4,17.669 7.4,16.914 7.437,16.876 7.428,16.868 8.338,16.868 CC8.1@8.364,16.842 ; v1(8.2,4.9) 8.393,4.9 8.623,5.129 SW1.1@9.3,5.129 ; X1.2@9.14,13.903 8.937,13.7 C18.2@8.2,13.7 8.2,13.5 8.096,13.5 7.7,13.104 7.7,12.296 7.846,12.15 8.165,12.15 9.4,10.915 C22.1@9.4,10.1 C22.1@9.4,10 ; SW1.1@9.237,5.35 SW1.1@9.307,5.28 ; SW1.1@9.3,5.51 9.3,5.633 9.767,6.1 11.539,6.1 11.7,5.939 ; C15.2@9.414,14.9 9.389,14.875 9.389,13.89 9.782,13.89 9.782,13.218 9.835,13.165 10.361,13.165 10.457,13.07 X1.4@10.457,12.65 ; C22.1@9.446,10.1 9.99,9.556 ; 10,9.525 10.025,9.5 U3.31@12.35,9.5 ; 11.701,5.94 11.8,5.84 SW1.6@11.8,5.129 ; C20.2@12.1,15.3 12.1,16.006 12.368,16.275 12.875,16.275 v2(12.9,16.3) ; PW2.0@13.1,18.8 PW2.3@14.4,18.8 15.241,18.8 15.296,18.855 16.212,18.855 CC7.1@16.705,18.362 ; C13.1@15.7,15.243 C13.1@15.795,15.243 ; C13.1@15.864,15.243 C13.1@15.795,15.243 ; U3.49@16.375,11.225 U3.49@16.5,11.1 ; CC7.1@16.7,18.451 CC7.1@16.705,18.456 ; U3.49@17.208,7.533 18.17,6.572 ; 18.177,6.589 18.177,6.34 C26.2@19.6,4.917 ; C17.2@18.91,15.382 18.91,16.057 16.621,16.057 16.264,15.7 16.252,15.7 C13.1@15.795,15.243 ; C17.2@18.915,15.382 18.915,16.348 v1@19.011,16.444 ; C14.2@20.3,15.2 21.067,15.2 C16.2@21.1,15.233 ; 20.782,15.207 CA2.1@20.782,16.056 ; CA1.1@20.816,19.219 21.016,19.419 21.016,19.6 ; v1(21.016,20.255) 21.016,19.6 ; C16.2@21.1,15.207 21.835,15.207 C19.2@21.842,15.2 ; CA3.1@21.8,19.6 21.016,19.6 ; A2.8@21.86,16.485 A2.7@21.86,16.007 A2.7@21.88,16.007 ; C19.2@21.88,15.207 C19.2@21.88,15.269 ; A2.6@22.4,15.95 22.343,16.007 A2.7@21.88,16.007 ; v2@22.91,14.809 22.91,15.269 ; A2.3@23.46,16.5 23.445,16.485 22.91,16.485 A2.5@22.91,15.957 22.91,15.269 ; R35.2@24.5,1.3 v2@24.5,1.779 ; C19.2@21.88,15.269 A2.7@21.88,16.007 ; C19.2@21.88,15.269 22.91,15.269
  Bottom Layer w0.3: U3.31@12.35,9.5 U3.49@13.3,9.5 ; U3.49@16.375,11.225 U3.45@16.375,12.325
  other v1: 6.7,5.852 6.825,16.444 19.1,16.5
  other v2: 22.96,14.736 10.285,16.69 25.7,17.122
  other v3: 14.775,7.5 15.975,7.5 17.175,7.5 15.975,9.9 14.775,11.1 15.975,11.1